# KiCad board TRS80_Model_I_Jap20_E1.kicad_pcb (continued)
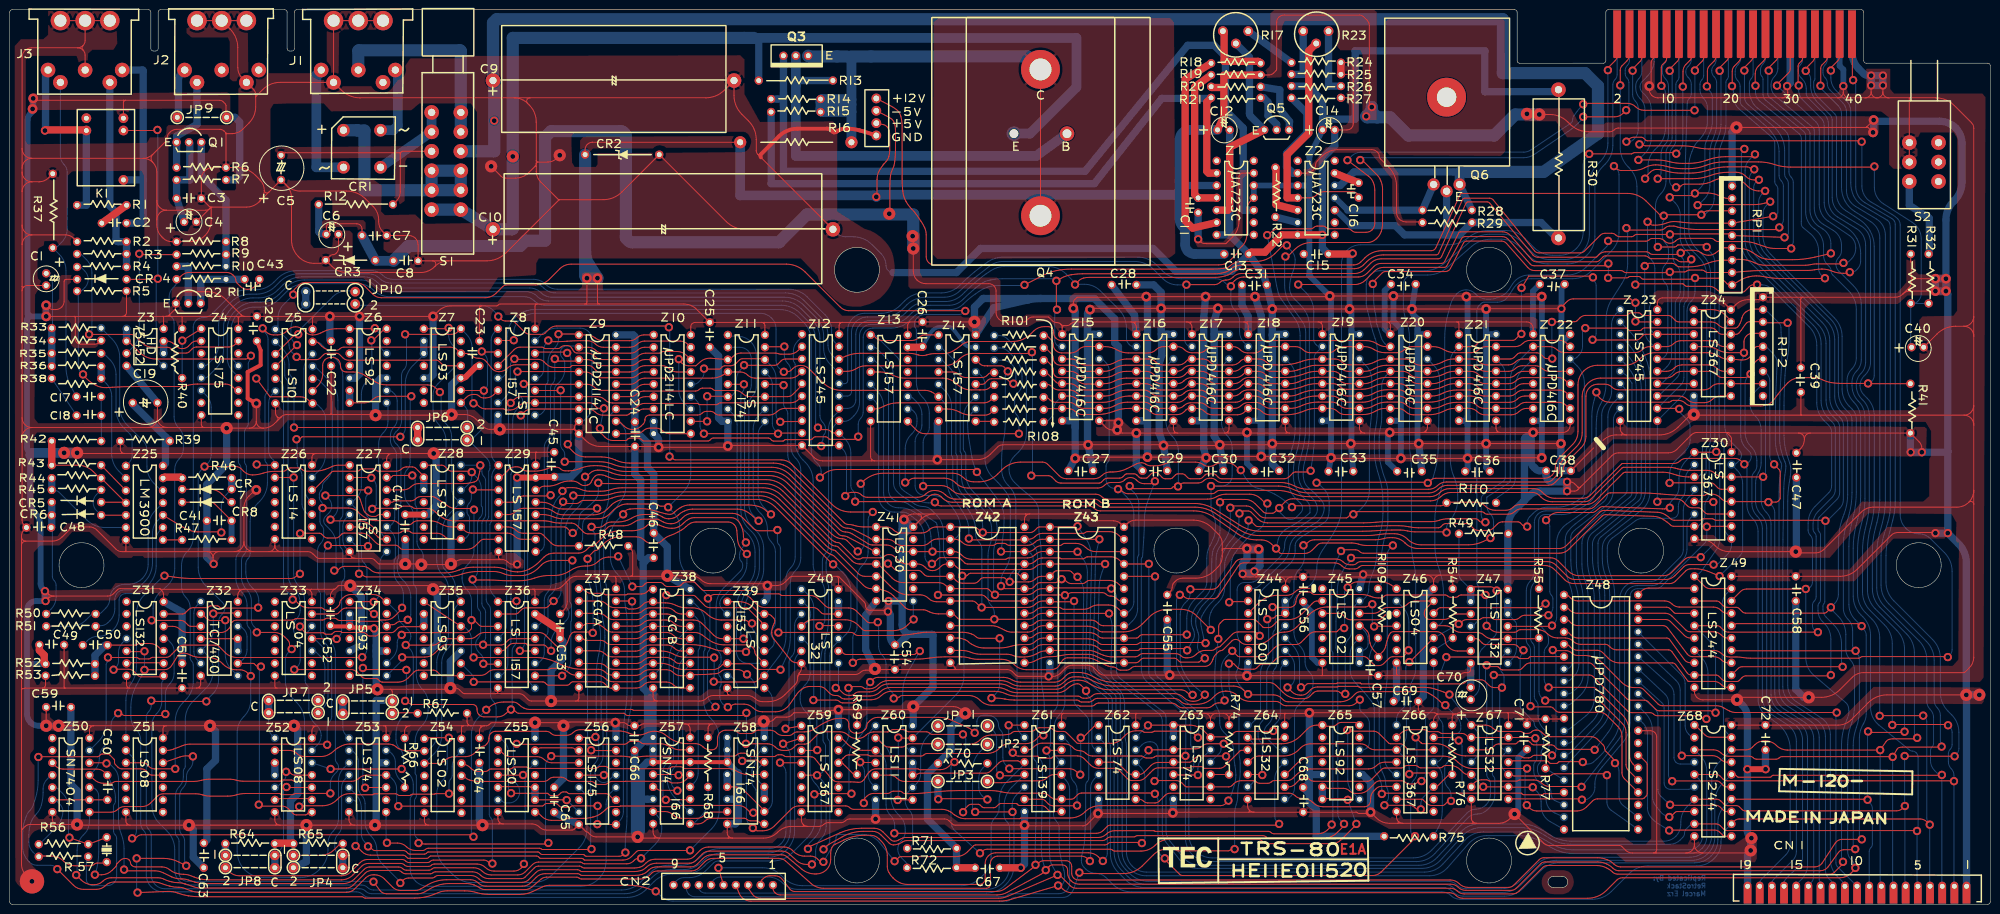
[diagram p0: board, top side]
## Routing (per net, layer and track width the routed paths; a pad name or vN(x,y) marks a point on that pad's centre or on a via; arc(x,y) is an arc through that point) (continued)
/Address Decoder/~{MEM}: length 286.8
  Top w0.2: v2(351.38,67.51) 349.05,68.46 arc(347.7,68.87) 346.29,69.01 345.49,69.01 arc(344.9,68.89) 344.4,68.55 342.32,66.47 arc(341.75,66.09) 341.08,65.96 321.49,65.96 arc(320.43,66.17) 319.53,66.77 317.45,68.85 arc(316.52,69.47) 315.43,69.69 278.12,69.69 arc(277.66,69.6) 277.26,69.34 arc(276.87,69.07) 276.41,68.98 275.25,68.98 arc(274.44,69.14) 273.75,69.6 arc(273.06,70.06) 272.24,70.22 253.58,70.22 arc(252.96,70.07) 252.49,69.64 248.33,63.35 arc(247.93,62.99) 247.41,62.86 242.31,62.86 arc(241.8,62.96) 241.36,63.25 241.15,63.47 arc(240.95,63.6) 240.71,63.65 v2(240.46,63.65) ; Z24.15 353.69,119.91 arc(353.67,120.02) 353.6,120.12 352.55,121.18 arc(351.28,122.02) 349.79,122.32 Z24.1 ; v2(169.75,44.49) 169.95,44.49 arc(170.14,44.46) 170.3,44.35 171.1,43.55 arc(171.74,43.12) 172.49,42.97 172.8,42.97 arc(173.26,43.06) 173.66,43.33 arc(174.05,43.59) 174.52,43.68 176.61,43.68 arc(177.68,43.9) 178.6,44.51 arc(179.51,45.12) 180.59,45.33 203.37,45.33 arc(204.43,45.19) 205.42,44.79 arc(206.41,44.38) 207.47,44.24 215.09,44.24 arc(215.63,44.31) 216.13,44.5 arc(216.6,44.79) 217.01,45.15 217.03,45.17 arc(217.48,45.54) 217.99,45.81 218.07,45.84 arc(218.7,46.03) 219.36,46.09 219.67,46.09 arc(220.62,45.97) 221.5,45.62 222.41,45.1 arc(224.24,44.37) 226.2,44.11 240.69,44.11 arc(241.37,43.98) 241.95,43.59 242.25,43.29 arc(242.49,43.13) 242.77,43.07 v2(243.08,43.07)
  Bottom w0.2: Z40.8 170.31,45.45 arc(170.23,45.08) 170.03,44.77 v2(169.75,44.49) ; v2(240.46,63.65) 240.12,63.3 arc(239.86,62.92) 239.77,62.48 239.77,49.66 arc(239.92,48.57) 240.35,47.57 v2(243.08,43.07) ; v2(351.38,67.51) 355.56,71.68 arc(355.96,72.29) 356.11,73.01 356.11,86.54 arc(355.81,88.03) 354.96,89.3 354.09,90.17 arc(354.06,90.35) 354.2,90.44 arc(354.55,90.51) 354.85,90.71 355.4,91.26 arc(355.74,91.76) 355.85,92.35 arc(355.74,92.93) 355.4,93.43 354.02,94.82 arc(352.84,96.58) 352.42,98.67 352.42,117.61 arc(352.59,118.44) 353.06,119.14 Z24.15
/Address Decoder/~{RAM}: length 120.4
  Top w0.2: v2(181.79,14.6) 223.3,14.6 arc(224.06,14.75) 224.71,15.18 225.55,16.02 arc(225.83,16.21) 226.16,16.28 260.42,16.28 arc(260.59,16.31) 260.73,16.4 v2(260.86,16.53) ; Z60.3 177.91,31.65 arc(177.9,31.66) 177.88,31.67 175.23,31.67 arc(173.59,31.99) 172.2,32.92 171.16,33.96 arc(170.92,34.12) 170.62,34.18 Z59.15
  Bottom w0.2: Z60.3 178.12,31.64 arc(178.29,31.61) 178.44,31.51 179.19,30.75 arc(179.85,29.77) 180.08,28.61 180.08,20.45 arc(180.32,19.29) 180.97,18.31 arc(181.63,17.32) 181.86,16.16 181.86,14.73 arc(181.85,14.68) 181.82,14.64 v2(181.79,14.6) ; v2(260.86,16.53) 260.41,16.97 arc(260.08,17.47) 259.97,18.05 259.97,25.76 arc(260.23,27.09) 260.98,28.21 Z64.11
/Address Decoder/~{RAS}: length 230.9
  Top w0.2: Z64.4 254.48,29.23 arc(254.57,29.25) 254.65,29.3 255.22,29.86 arc(255.92,30.33) 256.75,30.5 261.82,30.5 arc(263.46,30.83) 264.86,31.76 265.25,32.15 arc(266.21,32.79) 267.33,33.01 277.58,33.01 arc(278.39,32.85) 279.08,32.39 arc(279.77,31.93) 280.58,31.77 Z66.3 ; Z66.12 292.45,26.84 arc(292.28,26.95) 292.09,26.99 287.99,26.99 arc(287.84,26.96) 287.72,26.88 v2(287.6,26.77)
  Bottom w0.2: J4.1 330.32,170.7 arc(330.21,170.12) 329.88,169.63 arc(329.55,169.14) 329.44,168.55 329.44,156.07 arc(329.02,153.99) 327.84,152.22 327.35,151.73 arc(326.17,149.96) 325.75,147.88 325.75,137.4 arc(325.34,135.32) 324.16,133.55 323.92,133.31 arc(322.15,132.13) 320.07,131.72 316.07,131.72 arc(313.99,132.13) 312.22,133.31 310.33,135.2 arc(308.56,136.38) 306.48,136.8 304.4,136.8 arc(302.27,136.41) 300.42,135.31 295.34,130.92 arc(293.48,129.82) 291.35,129.43 288.33,129.43 arc(287.59,129.28) 286.95,128.86 arc(286.53,128.23) 286.38,127.48 286.38,123.51 arc(286.54,121.71) 287.02,119.97 arc(287.49,118.23) 287.65,116.43 287.65,94.84 arc(287.7,93.49) 287.84,92.16 arc(287.99,90.82) 288.03,89.48 288.03,74.18 arc(288.15,72.3) 288.48,70.44 arc(288.81,68.59) 288.92,66.7 288.92,48.48 arc(288.78,47.3) 288.35,46.18 288.07,45.65 arc(287.85,45.09) 287.78,44.49 287.78,40.18 arc(287.68,39.68) 287.4,39.26 arc(287.12,38.84) 287.02,38.34 287.02,34.8 arc(286.79,33.64) 286.13,32.66 285.33,31.86 arc(285.23,31.79) 285.11,31.77 arc(285.06,31.74) 285.08,31.68 286.76,30 arc(287.38,29.06) 287.6,27.96 v2(287.6,26.77)
/Address Decoder/~{RD}: length 496.9
  Top w0.2: v2(350.09,82.75) 350.05,82.78 arc(350.01,82.81) 349.96,82.82 346.2,82.82 ; v2(275.64,71.24) 275.65,71.25 arc(275.67,71.26) 275.68,71.27 316.63,71.27 arc(317.48,71.1) 318.2,70.62 320.33,68.48 arc(321.33,67.82) 322.51,67.58 339.89,67.58 arc(340.77,67.76) 341.51,68.26 344.17,70.91 arc(344.7,71.27) 345.33,71.39 v2(347.5,71.39) ; v2(274.19,16.53) 274.19,16.34 arc(274.16,16.16) 274.06,16.01 272.86,14.81 arc(271.38,13.83) 269.64,13.48 259.02,13.48 arc(258.6,13.56) 258.25,13.8 arc(257.9,14.03) 257.49,14.12 231.7,14.12 arc(231.53,14.08) 231.39,13.99 arc(231.25,13.9) 231.09,13.86 226.34,13.86 arc(225.85,13.76) 225.42,13.48 arc(225,13.2) 224.5,13.1 184.35,13.1 arc(183.91,13.04) 183.51,12.85 arc(183.12,12.62) 182.7,12.43 182.59,12.39 arc(182.11,12.26) 181.61,12.21 arc(181.14,12.3) 180.74,12.57 179.03,14.28 arc(178.23,14.82) 177.28,15 175.4,15 arc(173.17,14.72) 171.09,13.88 168.34,12.34 arc(167.92,12.05) 167.56,11.69 v2(167.23,11.3) ; 169.24,70.05 169.11,70.05 arc(168.99,70.07) 168.89,70.14 157.34,81.69 arc(155.58,82.87) 153.5,83.28 126.34,83.28 arc(125.5,83.17) 124.71,82.86 124.3,82.63 arc(123.97,82.42) 123.67,82.16 122.78,81.27 arc(121.49,80.41) 119.96,80.11 113.77,80.11 arc(112.7,80.28) 111.75,80.78 arc(110.79,81.28) 109.72,81.45 105.56,81.45 arc(104.72,81.28) 104,80.8 arc(103.28,80.32) 102.43,80.16 Z29.5
  Bottom w0.2: v2(347.5,71.39) 349.98,73.87 arc(350.38,74.47) 350.52,75.18 350.52,82.01 arc(350.46,82.29) 350.3,82.53 v2(350.09,82.75) ; J4.15 348.11,170.48 arc(348.01,169.99) 347.72,169.56 arc(347.44,169.14) 347.34,168.64 347.34,167.59 arc(347.54,166.6) 348.11,165.75 arc(348.67,164.91) 348.87,163.91 348.87,160.84 arc(348.81,160.18) 348.64,159.53 arc(348.38,158.91) 348.04,158.33 347.97,158.23 arc(347.5,157.59) 346.97,157 346.93,156.96 arc(346.4,156.31) 346,155.57 345.69,154.83 arc(345.22,153.28) 345.06,151.66 345.06,138.67 arc(345.47,136.59) 346.65,134.82 347.91,133.57 arc(349.09,131.8) 349.5,129.72 349.5,95.39 arc(349.39,94.81) 349.06,94.32 arc(348.73,93.82) 348.61,93.24 348.61,88.81 arc(348.56,88.56) 348.42,88.35 arc(348.28,88.14) 348.23,87.89 348.23,84.99 arc(348.07,84.16) 347.6,83.46 347.23,83.09 arc(346.93,82.89) 346.58,82.82 346.2,82.82 ; v2(169.21,69.92) 169.35,69.92 arc(169.48,69.89) 169.59,69.82 171.25,68.16 arc(172.43,66.4) 172.84,64.31 172.84,57.88 arc(172.6,56.64) 171.89,55.58 171.16,54.85 arc(170.92,54.69) 170.62,54.63 170.56,54.63 arc(170.38,54.55) 170.31,54.38 arc(170.26,54.14) 170.13,53.94 169.42,53.23 arc(168.76,52.25) 168.53,51.09 168.53,39.11 arc(168.46,38.78) 168.27,38.5 arc(168.09,38.22) 168.02,37.89 168.02,34.41 arc(168.09,34.08) 168.27,33.8 arc(168.46,33.52) 168.53,33.19 168.53,13.29 arc(168.38,12.53) 167.94,11.88 167.4,11.34 arc(167.35,11.31) 167.3,11.3 v2(167.23,11.3) ; v2(274.19,16.53) 273.56,17.16 arc(273.09,17.87) 272.92,18.7 272.92,51.82 arc(272.87,52.07) 272.73,52.28 arc(272.59,52.49) 272.54,52.74 272.54,58.11 arc(272.57,59.33) 272.67,60.53 arc(272.76,61.74) 272.79,62.95 272.79,64.28 arc(272.98,66.02) 273.52,67.68 273.85,68.41 arc(274.33,69.25) 274.95,69.99 275.44,70.48 arc(275.59,70.7) 275.64,70.96 v2(275.64,71.24)
/Address Decoder/~{ROMA}: length 69.7
  Top w0.2: v2(182.47,21.46) 182.48,21.47 arc(182.5,21.48) 182.51,21.48 185.54,21.48 ; v2(195.76,67.56) 196.5,67.56 arc(196.68,67.59) 196.84,67.7 197.1,67.96 arc(197.24,68.06) 197.41,68.09 206.81,68.09 arc(207.06,68.04) 207.27,67.9 207.59,67.58 arc(207.73,67.49) 207.9,67.46 Z42.20 ; v2(182.6,34.28) 182.65,34.23 arc(182.71,34.2) 182.77,34.18 185.54,34.18
  Bottom w0.2: v2(195.76,67.56) 195.92,67.39 arc(196.04,67.21) 196.09,66.99 196.09,46.98 arc(195.67,44.89) 194.49,43.13 185.54,34.18 ; v2(182.47,21.46) 182.54,21.52 arc(182.58,21.59) 182.6,21.67 v2(182.6,34.28)
/Address Decoder/~{ROMB}: length 143.9
  Top w0.2: Z60.2 178.04,34.18 arc(178.14,34.16) 178.23,34.1 179.5,32.84 arc(180.06,32.46) 180.73,32.33 183.31,32.33 arc(183.76,32.42) 184.14,32.67 arc(184.52,32.92) 184.96,33.01 190.65,33.01 arc(190.69,33.01) 190.72,32.98 190.75,32.96 ; v2(235.35,67.43) 235.34,67.44 arc(235.33,67.45) 235.31,67.46 Z43.20 ; v2(244.17,34.28) 244.16,34.28 arc(244.14,34.29) 244.13,34.29 243.48,34.94 arc(242.75,35.43) 241.89,35.6 235.26,35.6 arc(235.11,35.57) 234.99,35.49 arc(234.86,35.41) 234.71,35.38 233.23,35.38 arc(233.03,35.42) 232.87,35.53 arc(232.7,35.64) 232.5,35.68 231.43,35.68 arc(230.25,35.44) 229.24,34.77 228.37,33.9 arc(227.49,33.31) 226.45,33.11 219.53,33.11 arc(219.37,33.14) 219.24,33.22 217.16,35.31 arc(216.89,35.49) 216.57,35.55 215.34,35.55 arc(214.85,35.65) 214.42,35.93 arc(214,36.22) 213.5,36.32 211.66,36.32 arc(211.16,36.22) 210.74,35.93 arc(210.32,35.65) 209.82,35.55 206.61,35.55 arc(206.25,35.48) 205.95,35.28 arc(205.65,35.06) 205.29,34.96 204.94,34.91 arc(204.21,34.84) 203.48,34.82 201.75,34.82 arc(200.51,34.57) 199.45,33.86 arc(198.4,33.16) 197.15,32.91 JP2.2
  Bottom w0.2: R72.1 184.4,7.96 arc(184.32,8.37) 184.09,8.72 183.22,9.59 arc(182.68,10.38) 182.5,11.32 arc(182.68,12.26) 183.22,13.06 183.26,13.1 arc(183.82,13.94) 184.02,14.94 184.02,15.45 arc(183.73,16.92) 182.9,18.16 182.56,18.5 arc(181.48,20.12) 181.1,22.02 181.1,29.41 arc(180.74,31.24) 179.7,32.78 178.44,34.05 arc(178.29,34.15) 178.12,34.18 Z60.2 ; v2(235.35,67.43) 235.35,48 arc(235.5,47.31) 235.93,46.74 243.71,39.94 arc(244.18,39.31) 244.35,38.54 244.35,34.59 arc(244.32,34.47) 244.26,34.37 v2(244.17,34.28)
/Address Decoder/~{VID}: length 295
  Top w0.2: v2(195.91,18.94) 195.91,19.09 arc(195.94,19.24) 196.02,19.35 196.97,20.31 arc(197.26,20.5) 197.6,20.57 199.03,20.57 arc(199.24,20.52) 199.43,20.4 199.78,20.05 arc(199.99,19.91) 200.24,19.86 202.18,19.86 arc(202.51,19.92) 202.79,20.11 203.22,20.54 arc(203.42,20.67) 203.65,20.72 206.82,20.72 arc(206.92,20.7) 207.01,20.64 207.21,20.44 arc(207.35,20.35) 207.52,20.31 211.98,20.31 arc(212.48,20.21) 212.9,19.93 213.52,19.31 arc(213.79,19.13) 214.11,19.07 216.15,19.07 ; v2(104.14,62.38) 104.07,62.31 arc(104,62.27) 103.92,62.25 100.33,62.25 ; v2(81.25,41.83) 81.42,41.83 arc(81.57,41.8) 81.7,41.71 81.95,41.46 arc(82.36,41.19) 82.84,41.09 95.12,41.09 arc(95.47,41.02) 95.77,40.82 arc(95.97,40.53) 96.04,40.18 96.04,39.97 arc(96.14,39.43) 96.45,38.98 96.45,38.97 arc(96.92,38.66) 97.47,38.55 100.28,38.55 arc(101.19,38.73) 101.97,39.25 102.58,39.87 arc(102.67,39.93) 102.78,39.95 102.82,39.95 arc(102.89,39.96) 102.94,40 v2(103,40.05) 103.28,40.05 arc(103.53,40) 103.74,39.86 104.13,39.48 arc(104.34,39.34) 104.59,39.29 126.2,39.29 arc(126.28,39.27) 126.35,39.22 126.58,39 arc(126.76,38.87) 126.98,38.83 150.47,38.83 arc(150.82,38.9) 151.12,39.1 v2(151.38,39.36) ; v2(73.02,23.97) 73.05,24 arc(73.08,24.02) 73.11,24.02 Z53.10 ; v2(81.51,48.2) 81.47,48.24 arc(81.43,48.27) 81.38,48.28 73.13,48.28 arc(72.91,48.32) 72.73,48.44 v2(72.57,48.61) 72.24,48.28 ; v2(195.88,34.94) 189.63,34.94 arc(189.28,35.01) 188.99,35.21 arc(188.69,35.41) 188.34,35.48 184.75,35.48 arc(184.45,35.54) 184.2,35.71 arc(183.95,35.88) 183.65,35.93 181.57,35.93 arc(181.25,35.87) 180.99,35.69 arc(180.72,35.51) 180.4,35.45 177.58,35.45 arc(176.7,35.28) 175.96,34.78 arc(175.21,34.28) 174.33,34.11 173.94,34.11 arc(173.05,34.28) 172.29,34.79 arc(171.53,35.3) 170.63,35.48 167,35.48 arc(166.56,35.39) 166.19,35.14 164.45,33.4 arc(163.93,33.06) 163.33,32.94 162.1,32.94 arc(161.82,32.88) 161.58,32.72 161.15,32.29 arc(160.43,31.81) 159.58,31.64 158.98,31.64 arc(158.09,31.82) 157.33,32.33 arc(156.57,32.84) 155.67,33.01 v2(151.28,33.01)
  Bottom w0.2: v2(81.51,48.2) 81.51,42.26 arc(81.47,42.1) 81.38,41.95 v2(81.25,41.83) ; v2(104.14,62.38) 104.14,54.24 arc(104.02,53.66) 103.69,53.17 arc(103.36,52.68) 103.25,52.1 103.25,40.48 arc(103.22,40.32) 103.12,40.18 v2(103,40.05) ; v2(195.88,34.94) 196.17,34.65 arc(196.39,34.33) 196.47,33.95 196.47,20.1 arc(196.39,19.73) 196.19,19.42 195.98,19.22 arc(195.93,19.14) 195.91,19.04 v2(195.91,18.94) ; v2(151.28,33.01) 151.33,33.06 arc(151.37,33.12) 151.38,33.19 v2(151.38,39.36) ; v2(72.57,48.61) 72.57,24.75 arc(72.63,24.45) 72.79,24.2 v2(73.02,23.97) ; Z8.1 99.63,117.68 arc(99.11,116.91) 98.93,116 98.93,92.92 arc(99.13,91.92) 99.69,91.08 100.11,90.67 arc(100.25,90.32) 100.11,89.97 99.76,89.62 arc(99.24,88.84) 99.06,87.93 99.06,79.03 arc(99.01,78.78) 98.87,78.57 arc(98.73,78.36) 98.68,78.11 98.68,65.45 arc(98.89,64.37) 99.5,63.46 100.19,62.76 arc(100.29,62.62) 100.33,62.44 100.33,62.25
/Cassette Interface/CASSIN: length 67.5
  Bottom w0.2: C17.1 12.63,106.38 arc(11.83,108.42) 11.55,110.6 11.55,130.39 arc(11.2,132.16) 10.2,133.66 9.08,134.78 arc(9.05,134.93) 9.18,135.02 arc(9.5,135.08) 9.76,135.26 10.67,136.16 arc(11.51,137.43) 11.81,138.92 11.81,150.54 arc(11.63,151.45) 11.11,152.23 arc(10.59,153) 10.41,153.91 J3.4
/Cassette Interface/CASSOUT: length 40.5
  Bottom w1.5: J3.5 20.57,143.66 21.84,142.39 21.84,136.63 arc(21.86,136.55) 21.91,136.48 21.97,136.42 arc(22.11,136.32) 22.28,136.29 R2.2 R4.1
/Cassette Interface/MODESEL: length 308.2
  Top w0.2: v2(40.41,41.73) 29.34,41.73 arc(29.24,41.75) 29.16,41.8 v2(29.08,41.88) ; v2(40.03,90.04) 46.45,90.04 arc(47.04,89.92) 47.54,89.59 48.07,89.05 arc(48.9,88.5) 49.87,88.31 arc(50.91,88.39) 51.93,88.63 52.07,88.68 arc(53.23,88.95) 54.41,89.05 56.06,89.05 arc(56.53,89.14) 56.92,89.4 arc(57.31,89.66) 57.78,89.76 59.28,89.76 arc(59.73,89.67) 60.11,89.41 arc(60.49,89.16) 60.93,89.07 62.62,89.07 arc(63.61,89.15) 64.58,89.38 64.85,89.46 arc(65.52,89.71) 66.16,90 arc(66.82,90.24) 67.51,90.32 Z27.1 ; v2(158.93,33.01) Z59.2
  Bottom w0.2: v2(40.41,41.73) 40.41,41.84 arc(40.43,41.95) 40.49,42.04 41.67,43.21 arc(42.6,44.6) 42.92,46.25 42.92,58.05 arc(43.09,58.88) 43.56,59.58 43.7,59.72 arc(44.07,60.27) 44.19,60.92 arc(44.07,61.56) 43.7,62.11 40.33,65.48 arc(39.15,67.25) 38.73,69.33 38.73,87.83 arc(38.9,88.67) 39.38,89.39 v2(40.03,90.04) 40.71,90.72 arc(41.22,91.48) 41.4,92.38 41.4,102.21 arc(41.14,103.54) 40.38,104.67 Z4.6 ; v2(29.08,41.88) 29.08,40.87 arc(28.95,40.21) 28.57,39.64 arc(28.2,39.08) 28.06,38.42 28.06,16.61 arc(28.2,15.95) 28.57,15.39 arc(28.95,14.82) 29.08,14.16 29.08,6.01 arc(29.3,4.93) 29.91,4.02 arc(30.82,3.41) 31.9,3.19 71.92,3.19 arc(72.59,3.06) 73.15,2.69 arc(73.71,2.31) 74.38,2.18 126.4,2.18 arc(128.48,2.59) 130.24,3.77 132.01,5.54 arc(133.77,6.72) 135.86,7.13 138.46,7.13 arc(140.54,7.55) 142.31,8.72 142.55,8.97 arc(144.31,10.15) 146.4,10.56 155.85,10.56 arc(157.59,10.91) 159.07,11.89 arc(160.05,13.37) 160.4,15.11 160.4,30.5 arc(160.21,31.46) 159.66,32.28 v2(158.93,33.01)
/Cassette Interface/~{CGA}: length 122.7
  Top w0.2: v2(126.52,10.64) 126.13,10.26 arc(125.71,9.97) 125.21,9.87 118.46,9.87 arc(118.35,9.9) 118.25,9.96 118.07,10.14 arc(117.97,10.21) 117.86,10.23 109.45,10.23 arc(109.24,10.27) 109.05,10.39 108.79,10.66 arc(108.67,10.74) 108.54,10.76 86.01,10.76 arc(85.91,10.74) 85.82,10.69 85.6,10.46 arc(85.43,10.35) 85.23,10.31 82.23,10.31 arc(82.03,10.35) 81.86,10.46 81.49,10.83 arc(81.25,10.99) 80.97,11.04 75.06,11.04 arc(74.77,11.1) 74.53,11.26 73.98,11.82 arc(73.88,11.88) 73.76,11.91 v2(73.63,11.91) ; v2(127.89,62.3) 127.85,62.34 arc(127.81,62.37) 127.76,62.38 124.58,62.38
  Bottom w0.2: v2(126.52,10.64) 126.5,10.65 arc(126.49,10.66) 126.49,10.68 126.49,12.01 arc(126.53,13.35) 126.64,14.69 126.67,14.94 arc(126.8,16.53) 126.85,18.13 126.85,34.44 arc(126.98,36.71) 127.37,38.94 arc(127.76,41.18) 127.89,43.45 v2(127.89,62.3) ; v2(73.63,11.91) 73.63,12.01 arc(73.61,12.1) 73.56,12.18 72.95,12.8 arc(72.44,13.55) 72.26,14.45 72.26,19.69 arc(71.93,21.35) 70.99,22.75 Z53.5
/Cassette Interface/~{CGB}: length 137.2
  Top w0.2: v2(139.8,11.09) 139.79,11.08 arc(139.77,11.07) 139.76,11.07 129.39,11.07 arc(129.06,11) 128.78,10.81 127.79,9.82 arc(126.97,9.28) 126.01,9.09 118.15,9.09 arc(118.09,9.1) 118.03,9.14 117.85,9.32 arc(117.71,9.41) 117.55,9.44 109.1,9.44 arc(109,9.46) 108.91,9.52 108.67,9.76 arc(108.49,9.88) 108.27,9.93 86.51,9.93 arc(86.39,9.9) 86.29,9.84 86.05,9.59 arc(85.88,9.48) 85.69,9.44 81.96,9.44 arc(81.82,9.47) 81.71,9.54 81.38,9.87 arc(81.13,10.04) 80.83,10.1 74.16,10.1 arc(73.18,10.3) 72.35,10.85 71.27,11.93 arc(71.21,11.97) 71.14,11.98 v2(71.07,11.98)
  Bottom w0.2: Z38.17 140.08,62.25 arc(140.31,62.2) 140.51,62.07 141.6,60.98 arc(142.54,59.57) 142.87,57.91 142.87,52.52 arc(142.84,52.36) 142.75,52.22 arc(142.65,52.08) 142.62,51.91 142.62,41.89 arc(143.03,39.81) 144.21,38.06 arc(145.38,36.3) 145.79,34.22 145.79,19.34 arc(145.38,17.26) 144.2,15.49 v2(139.8,11.09) ; Z53.6 70.29,21.48 arc(70.7,21.4) 71.05,21.16 arc(71.29,20.81) 71.37,20.4 71.37,12.5 arc(71.33,12.3) 71.22,12.13 v2(71.07,11.98)
/Cassette Interface/~{INSIG}: length 27.9
  Top w0.2: v2(159.43,36.11) Z59.1
  Bottom w0.2: Z40.3 161.99,59.01 arc(161.47,58.24) 161.29,57.32 161.29,52.39 arc(161.14,51.64) 160.72,51.01 arc(160.29,50.38) 160.15,49.63 160.15,37.33 arc(160.05,36.86) 159.79,36.47 v2(159.43,36.11)
/Cassette Interface/~{OUTSIG}: length 390.4
  Top w0.2: Z31.5 24.06,52.03 arc(24.13,51.98) 24.22,51.96 27.55,51.96 arc(27.6,51.97) 27.65,52 v2(27.68,52.04) ; v2(27.68,48.2) 27.71,48.23 arc(27.74,48.25) 27.77,48.25 31.77,48.25 arc(32.62,48.47) 33.25,49.07 34.49,51.04 arc(34.96,51.49) 35.6,51.66 arc(36.3,51.58) 36.97,51.34 37.21,51.23 arc(38.12,50.9) 39.09,50.79 40.63,50.79 arc(42.3,50.46) 43.72,49.51 43.87,49.37 arc(45.13,48.52) 46.62,48.23 47.32,48.23 arc(48.16,48.06) 48.88,47.58 v2(49.53,46.93)
  Bottom w0.2: Z4.9 46.99,91.06 arc(47.05,90.72) 47.24,90.44 arc(47.43,90.16) 47.5,89.83 47.5,73.38 arc(47.36,72.72) 46.99,72.16 arc(46.61,71.59) 46.48,70.93 46.48,67.04 arc(46.78,65.55) 47.62,64.28 arc(48.47,63.01) 48.77,61.52 48.77,57.83 arc(48.87,57.34) 49.15,56.91 arc(49.43,56.49) 49.53,56 v2(49.53,46.93) 49.53,42 arc(49.16,40.17) 48.13,38.63 arc(47.1,37.08) 46.73,35.25 46.73,10.9 arc(47.15,8.83) 48.32,7.07 arc(50.08,5.89) 52.15,5.48 59.72,5.48 arc(61.8,5.89) 63.57,7.07 63.81,7.32 arc(64.99,9.08) 65.4,11.16 65.4,12.46 arc(65.68,13.87) 66.48,15.07 arc(67.28,16.26) 67.56,17.67 67.56,25.42 arc(67.84,26.83) 68.64,28.02 Z53.3 ; v2(27.68,52.04) v2(27.68,48.2) 25.95,44.87 arc(25.16,42.75) 24.89,40.51 24.89,38.54 arc(25.15,37.21) 25.91,36.09 arc(26.66,34.96) 26.92,33.63 26.92,16.58 arc(27.07,15.83) 27.49,15.2 arc(27.92,14.56) 28.06,13.82 28.06,6.03 arc(28.33,4.7) 29.08,3.57 arc(30.21,2.82) 31.53,2.56 71.2,2.56 arc(71.95,2.41) 72.58,1.99 arc(73.21,1.56) 73.96,1.42 126.9,1.42 arc(128.99,1.83) 130.75,3.01 132.39,4.65 arc(134.15,5.83) 136.24,6.24 138.84,6.24 arc(140.92,6.66) 142.69,7.84 142.93,8.08 arc(144.7,9.26) 146.78,9.67 155.87,9.67 arc(157.94,10.08) 159.7,11.26 arc(160.88,13.02) 161.29,15.09 161.29,49.7 arc(161.47,50.62) 161.99,51.39 Z40.6
/Clock/CLK_DIV2: length 270.7
  Top w0.2: v2(74.32,87.73) 74.29,87.75 arc(74.26,87.77) 74.23,87.78 Z27.2 ; v2(277.44,42.08) 277.4,42.08 arc(277.37,42.07) 277.34,42.05 276.74,41.46 arc(276.05,41) 275.24,40.84 262.32,40.84 arc(261.74,40.95) 261.25,41.28 arc(260.76,41.61) 260.18,41.73 254.98,41.73 arc(253.6,42) 252.44,42.78 252.37,42.85 arc(251.28,43.58) 249.98,43.83 249.8,43.83 arc(248.68,43.61) 247.73,42.98 247.24,42.49 arc(245.75,41.49) 243.99,41.14 242.08,41.14 arc(241.29,41.3) 240.61,41.75 arc(239.94,42.2) 239.14,42.36 223.57,42.36 arc(223.08,42.26) 222.65,41.98 arc(222.23,41.7) 221.73,41.6 220.27,41.6 arc(220.01,41.65) 219.78,41.8 arc(219.56,41.95) 219.29,42.01 206.46,42.01 arc(205.49,42.06) 204.53,42.21 204.47,42.22 arc(203.57,42.36) 202.66,42.41 v2(201.75,42.41) ; v2(157.76,76.98) 157.68,76.9 arc(157.6,76.85) 157.5,76.83 153.98,76.83 arc(153.34,76.96) 152.8,77.32 150.57,79.54 arc(150.13,79.91) 149.63,80.18 arc(149.08,80.35) 148.52,80.41 140.27,80.41 arc(139.71,80.35) 139.18,80.16 arc(138.7,79.88) 138.27,79.51 137.92,79.17 arc(137.5,78.81) 137.02,78.52 arc(136.51,78.34) 135.96,78.28 135.76,78.28 arc(135.02,78.36) 134.32,78.62 133.39,79.1 arc(133.34,79.13) 133.29,79.17 arc(133.24,79.2) 133.18,79.22 130.33,79.22 arc(129.21,79.04) 128.2,78.53 arc(127.2,78.02) 126.08,77.84 123.72,77.84 arc(123.25,77.75) 122.85,77.48 122.39,77.02 arc(121.47,76.41) 120.39,76.19 118.83,76.19 arc(118.33,76.29) 117.9,76.58 116.55,77.93 arc(116.02,78.28) 115.4,78.4 113,78.4 arc(112.15,78.46) 111.31,78.64 arc(110.48,78.83) 109.63,78.89 91.11,78.89 arc(90.08,79.02) 89.12,79.43 89.09,79.44 arc(88.24,80.02) 87.47,80.7 arc(86.66,81.24) 85.71,81.43 83.33,81.43 arc(83.03,81.49) 82.78,81.65 arc(82.52,81.82) 82.22,81.88 80.9,81.88 arc(80.62,81.83) 80.38,81.67 arc(80.14,81.51) 79.86,81.45 74.71,81.45 arc(74.63,81.43) 74.56,81.39 v2(74.5,81.32) ; v2(203.43,54.71) 199.39,54.71 arc(198.92,54.8) 198.52,55.07 arc(198.12,55.38) 197.67,55.59 197.38,55.69 arc(196.58,55.88) 195.77,55.95 188.37,55.95 arc(187.83,55.93) 187.3,55.87 185.74,55.62 arc(183.63,55.37) 181.52,55.29 174.36,55.29 arc(173.95,55.37) 173.59,55.61 arc(173.24,55.84) 172.83,55.92 158,55.92 arc(157.99,55.92) 157.97,55.91 v2(157.96,55.9)
  Bottom w0.2: v2(203.43,54.71) 203.43,45.27 arc(203.21,44.18) 202.59,43.25 v2(201.75,42.41) ; v2(277.44,42.08) 277.44,40.25 arc(277.5,39.97) 277.66,39.73 278.88,38.51 arc(279.26,37.94) 279.4,37.26 279.4,33.29 arc(279.28,32.71) 278.95,32.21 278.91,32.17 arc(278.47,31.87) 277.94,31.77 Z65.12 ; v2(74.32,87.73) 74.81,87.23 arc(75.18,86.68) 75.31,86.03 75.31,82.1 arc(75.3,82.07) 75.27,82.06 arc(75.24,82.05) 75.21,82.03 v2(74.5,81.32) ; v2(157.96,55.9) 158.16,56.1 arc(158.31,56.33) 158.37,56.59 158.37,73.25 arc(158.29,73.65) 158.06,73.98 arc(157.84,74.32) 157.76,74.72 v2(157.76,76.98)
/Clock/~{CLK_EN}: length 405.1
  Top w0.2: v2(274.95,21.48) 274.83,21.61 arc(274.69,21.7) 274.52,21.74 269.96,21.74 arc(269.88,21.72) 269.81,21.67 Z65.7 ; v2(194.13,29.25) 194,29.25 arc(193.89,29.23) 193.79,29.16 193.09,28.47 arc(192.22,27.88) 191.19,27.68 187.04,27.68 arc(186.93,27.7) 186.83,27.77 arc(186.73,27.83) 186.61,27.86 178.03,27.86 arc(177.32,27.72) 176.72,27.32 176.62,27.21 arc(176.23,26.75) 175.91,26.23 175.86,26.12 arc(175.6,25.71) 175.26,25.36 arc(174.85,25.13) 174.38,25.09 174.18,25.11 arc(173.48,25.16) 172.78,25.17 170.27,25.17 arc(169.79,25.24) 169.34,25.42 arc(168.94,25.71) 168.61,26.07 168.26,26.56 arc(167.86,27.05) 167.44,27.51 167.38,27.56 arc(167.01,27.97) 166.68,28.4 arc(166.36,28.84) 166.02,29.27 165.47,29.95 arc(165.19,30.18) 164.84,30.31 arc(164.46,30.36) 164.08,30.37 159.53,30.37 arc(159.28,30.42) 159.07,30.56 arc(158.85,30.7) 158.61,30.75 157.94,30.75 arc(157.7,30.7) 157.49,30.57 arc(157.29,30.43) 157.04,30.38 152.63,30.38 arc(152.17,30.47) 151.78,30.73 arc(151.39,30.99) 150.94,31.08 150.24,31.08 arc(149.84,31) 149.5,30.78 arc(149.16,30.55) 148.77,30.47 130.95,30.47 arc(130.05,30.43) 129.16,30.3 arc(128.27,30.21) 127.38,30.3 arc(126.49,30.43) 125.58,30.47 v2(111.28,30.47) ; v2(290.12,25.34) 289.84,25.34 arc(289.58,25.29) 289.36,25.15 289.25,25.04 arc(288.92,24.81) 288.52,24.73 287.64,24.73 arc(287.21,24.82) 286.84,25.06 arc(286.47,25.31) 286.04,25.39 281.6,25.39 arc(281.07,25.29) 280.62,24.99 279.26,23.63 arc(278.34,23.02) 277.27,22.8 276.58,22.8 arc(275.9,22.94) 275.32,23.32 arc(274.74,23.71) 274.06,23.84 270.93,23.84 arc(270.73,23.88) 270.56,24 arc(270.39,24.11) 270.19,24.15 Z65.6 ; v2(110.69,12.62) 110.58,12.5 arc(110.45,12.42) 110.3,12.39 85.52,12.39 arc(85.01,12.41) 84.52,12.49 v2(84.02,12.59) ; v2(276.73,16.53) 276.73,16.47 arc(276.72,16.41) 276.69,16.36 273.56,13.23 arc(272.71,12.66) 271.72,12.47 258.56,12.47 arc(257.98,12.58) 257.49,12.91 arc(257,13.24) 256.42,13.35 238.31,13.35 arc(236.73,13.04) 235.39,12.15 arc(234.06,11.25) 232.48,10.94 227.09,10.94 arc(226.84,10.99) 226.63,11.13 arc(226.42,11.27) 226.17,11.32 200.85,11.32 arc(200.32,11.22) 199.87,10.92 199.49,10.54 arc(199.46,10.52) 199.43,10.51 v2(199.39,10.51) ; Z6.7 72.93,103.14 arc(73.81,103.32) 74.56,103.82 arc(75.31,104.31) 76.18,104.49 v2(82.52,104.49)
  Bottom w0.2: v2(194.13,29.25) 193.77,28.9 arc(193.51,28.5) 193.42,28.04 193.42,17.26 arc(193.47,16.66) 193.61,16.08 arc(193.87,15.56) 194.25,15.11 v2(199.39,10.51) ; v2(276.73,16.53) v2(274.95,21.48) ; v2(290.12,25.34) 290.54,25.76 arc(290.85,26.23) 290.95,26.77 290.95,38.12 arc(291.05,38.59) 291.31,38.98 292.29,39.96 arc(292.52,40.31) 292.61,40.72 Z46.8 ; v2(82.52,104.49) 82.52,104.44 arc(82.51,104.39) 82.49,104.35 82.23,104.1 arc(82.2,104.03) 82.23,103.97 arc(82.28,103.9) 82.29,103.82 82.29,90.87 arc(82.15,90.12) 81.72,89.49 arc(81.3,88.86) 81.15,88.11 81.15,84.33 arc(81.38,83.17) 82.04,82.19 arc(82.7,81.2) 82.93,80.04 82.93,66.25 arc(83.01,65.84) 83.25,65.49 arc(83.48,65.14) 83.56,64.72 83.56,47.19 arc(83.88,45.61) 84.77,44.28 arc(85.66,42.94) 85.98,41.37 85.98,39.88 arc(85.63,38.14) 84.64,36.66 arc(83.66,35.18) 83.31,33.44 83.31,27 arc(83.34,26.83) 83.44,26.69 arc(83.53,26.55) 83.56,26.38 83.56,22.26 arc(83.51,22.01) 83.37,21.8 arc(83.23,21.59) 83.18,21.34 83.18,14.71 arc(83.29,14.16) 83.6,13.7 83.78,13.52 arc(83.96,13.25) 84.02,12.93 v2(84.02,12.59) ; v2(111.28,30.47) 110.69,29.89 arc(110.26,29.24) 110.11,28.48 110.11,13.61 arc(110.18,13.23) 110.4,12.91 v2(110.69,12.62)
  Bottom w1.5: Z65.6 Z65.7 ; Z6.6 Z6.7
/CPU Gating/MUX: length 406.5
  Top w0.2: v2(346.3,171.49) 346.3,171.71 arc(346.34,171.91) 346.45,172.08 347.81,173.44 arc(348.03,173.76) 348.11,174.14 J4.16 ; Z13.1 177.14,117.11 arc(177.35,117.07) 177.53,116.95 177.94,116.54 arc(178.58,116.11) 179.33,115.96 185.38,115.96 arc(186.14,116.11) 186.77,116.54 arc(187.41,116.96) 188.16,117.11 Z14.1 ; v2(190.12,82.7) 190.5,82.31 arc(190.92,82.03) 191.42,81.93 221.66,81.93 arc(222.32,81.8) 222.88,81.43 arc(223.45,81.05) 224.11,80.92 243.33,80.92 arc(245.51,80.58) 247.49,79.6 252.36,76.19 arc(254.23,75.27) 256.28,74.95 257.19,74.95 arc(258.35,74.72) 259.33,74.06 v2(260.22,73.17) 260.22,73.11 arc(260.23,73.05) 260.27,73 260.98,72.28 arc(261.12,72.19) 261.29,72.16 266.05,72.16 arc(266.88,72.32) 267.59,72.79 268.67,73.87 arc(269.16,74.2) 269.74,74.31 275.71,74.31 arc(276.49,74.25) 277.25,74.06 arc(278.01,73.87) 278.79,73.81 v2(284.22,73.81) ; v2(323.34,164.56) 323.43,164.65 arc(323.53,164.71) 323.64,164.74 332.42,164.74 arc(333.35,164.55) 334.13,164.03 arc(334.92,163.5) 335.85,163.32 v2(346.23,163.32) ; v2(274.9,153.05) 279.25,149.74 arc(279.82,149.18) 280.21,148.48 arc(280.44,147.71) 280.52,146.9 280.52,140 arc(280.38,139.32) 279.99,138.74 arc(279.42,138.36) 278.74,138.22 276.67,138.22 arc(276.19,138.32) 275.78,138.59 arc(275.37,138.86) 274.89,138.96 271.14,138.96 arc(270.79,139.03) 270.5,139.22 arc(270.2,139.42) 269.85,139.49 268.67,139.49 arc(268.3,139.42) 267.99,139.21 arc(267.68,139) 267.32,138.93 260.83,138.93 arc(259.99,138.76) 259.27,138.28 258.69,137.71 arc(258.61,137.65) 258.52,137.64 v2(258.42,137.64)